# Altium PCB ccd_bottom.PcbDoc (part 1 of 3) (continued)
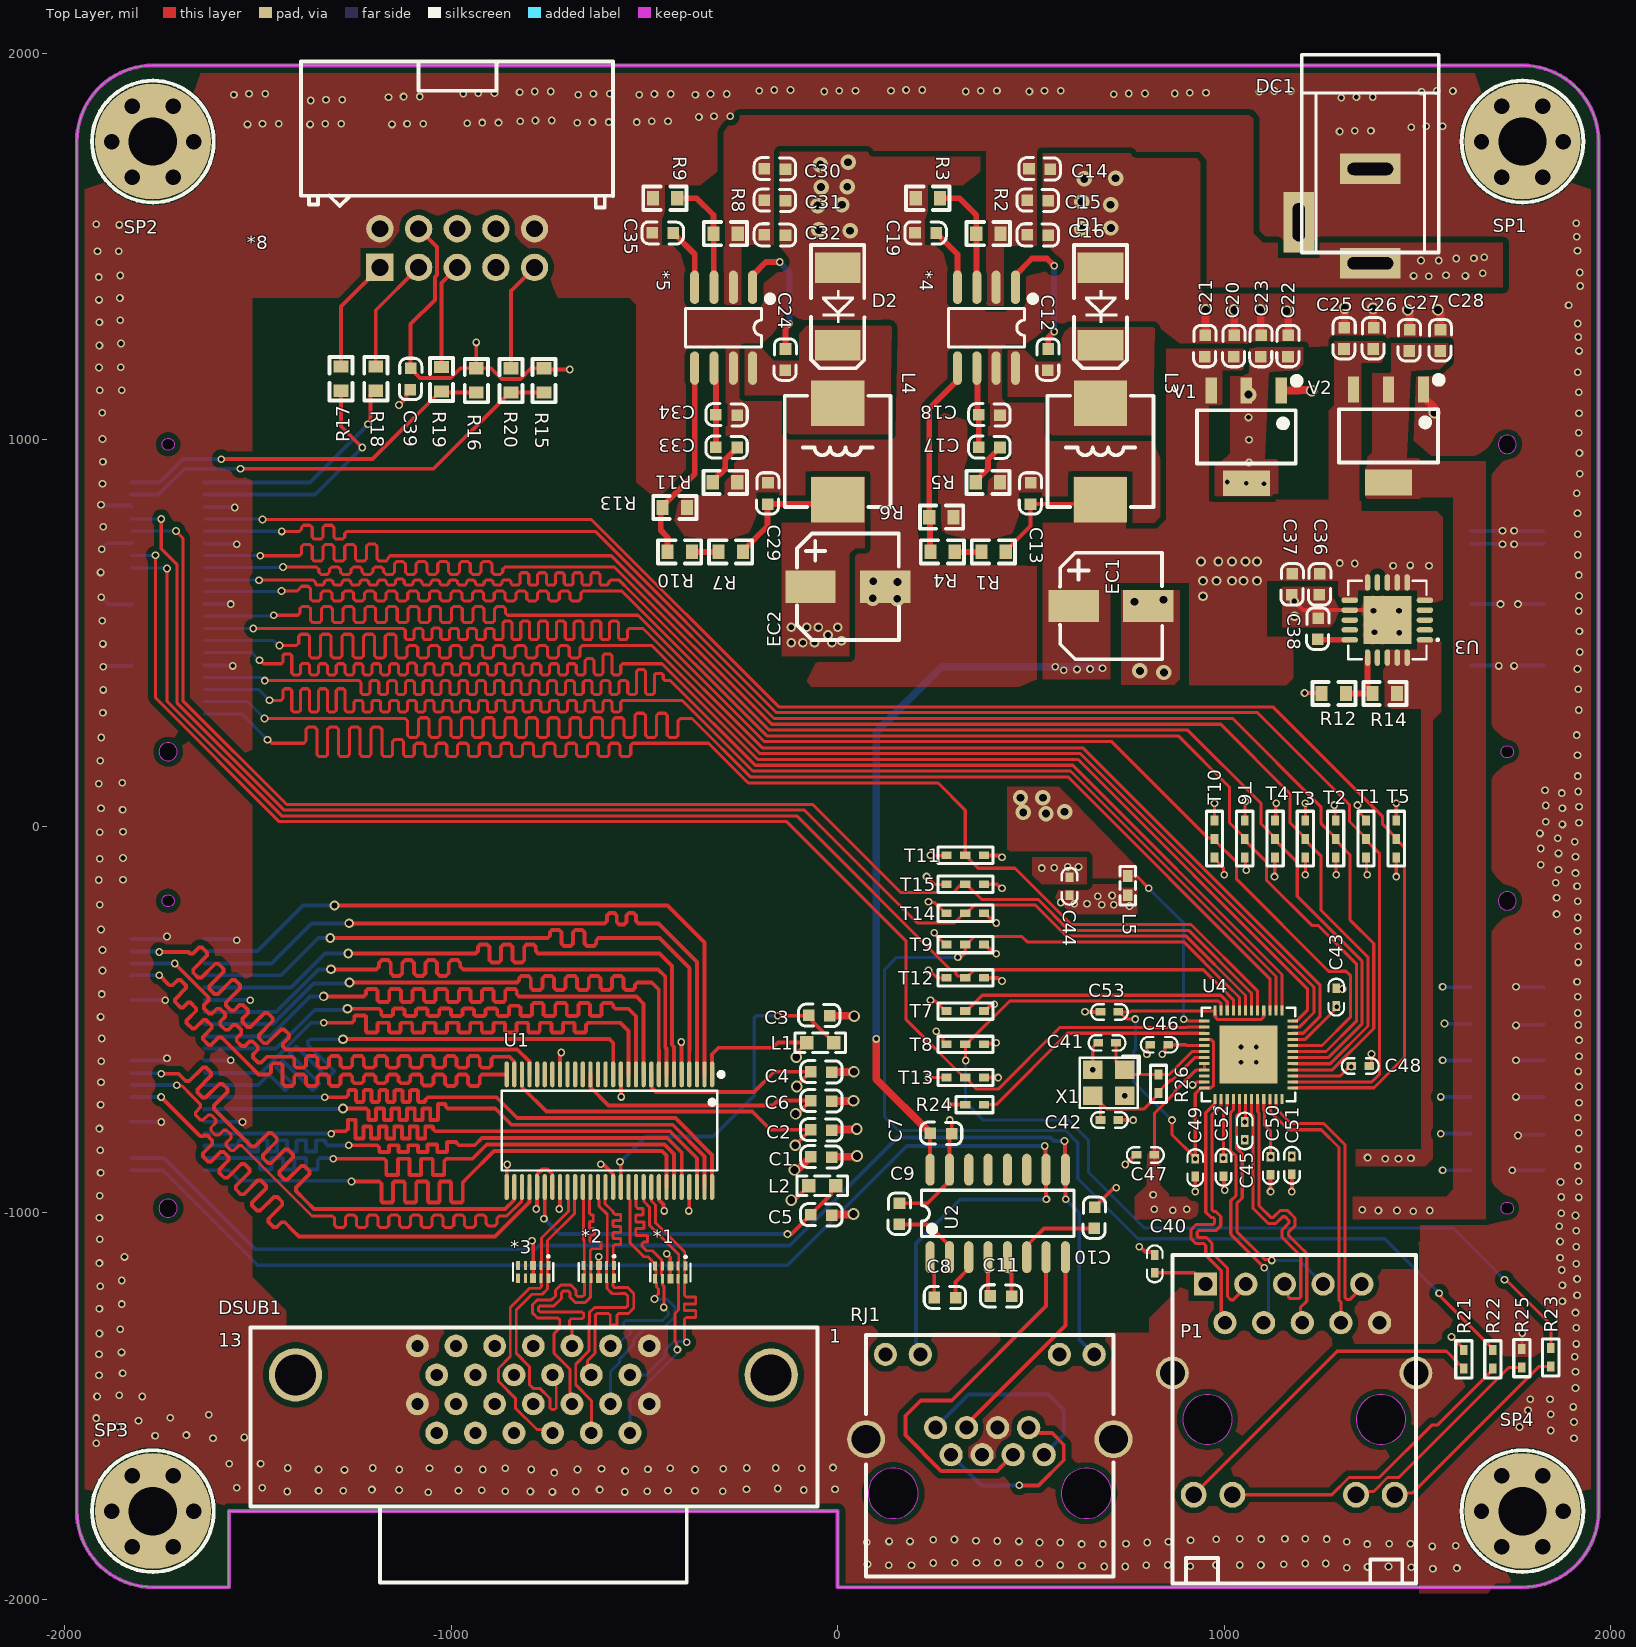
[diagram p0: Top Layer view]
## Components (designator, comment, footprint, x,y, rotation, side; value= is the part's Value field where it differs from the comment)
*1 "TVSX4" DFN-10 -433,-1154 r180 top
*2 "TVSX4" DFN-10 -618,-1152.7 r180 top
*3 "TVSX4" DFN-10 -787.7,-1152.7 r180 top
*4 "TPS54331DR" SOIC-8 385,1290 r270 top
*5 "TPS54331DR" SOIC-8 -295,1290 r270 top
*6 "BTB-08-40-M-H1.0" BTB-08-40-M-H1.0 1732.28,590.55 r270 bottom locked
*7 "BTB-08-40-M-H1.0" BTB-08-40-M-H1.0 -1732.28,-590.55 r90 bottom locked
*8 "JTAG" IDC-TH_10P-P2.54-H-R2-C5-S2.54 -984.25,1496.06 r180 top locked
*9 "BTB-08-40-M-H1.0" BTB-08-40-M-H1.0 1732.28,-590.55 r270 bottom locked
*10 "BTB-08-40-M-H1.0" BTB-08-40-M-H1.0 -1732.28,590.55 r90 bottom locked
C1 "0.1u" 0603C -14.79,-856.35 r180 top
C2 "4.7u" 0603C -14.79,-786.35 r180 top
C3 "0.1u" 0603C -20,-490 r180 top
C4 "0.1u" 0603C -14.79,-636.35 r180 top
C5 "0.1u" 0603C -14.79,-1006.35 r180 top
C6 "0.1u" 0603C -14.79,-711.35 r180 top
C7 "0.1u" 0603C 295.21,-795.35 r180 top locked
C8 "0.1u" 0603C 305.21,-1220.35 r180 top locked
C9 "0.1u" 0603C 160.35,-974.79 r270 top locked
C10 "0.1u" 0603C 665,-985 r270 top locked
C11 "0.1u" 0603C 450.21,-1216.35 r180 top locked
C12 "0.1u" 0603C 545.35,1235.21 r270 top
C13 "47U" 0603C 500.1,888.96 r270 top
C14 "4.7u" 0603C 550.21,1699.65 r180 top
C15 "4.7u" 0603C 545.21,1618.65 r180 top
C16 "0.01u" 0603C 545.21,1528.65 r180 top
C17 "1000p" 0603C 420.21,979.65 r180 top
C18 "47p" 0603C 420.21,1063.65 r180 top
C19 "0.01u" 0603C 199.79,1536.35 r0 top
C20 "4.7u" 0603C 1026.35,1270.21 r270 top
C21 "0.1u" 0603C 951.35,1270.21 r270 top
C22 "4.7u" 0603C 1166.35,1270.21 r270 top
C23 "0.1u" 0603C 1096.35,1270.21 r270 top
C24 "0.1u" 0603C -134.65,1235.21 r270 top
C25 "4.7u" 0603C 1311.35,1290.21 r270 top
C26 "0.1u" 0603C 1386.95,1290.15 r270 top
C27 "4.7u" 0603C 1480,1285 r270 top
C28 "0.1u" 0603C 1560,1285 r270 top
C29 "47U" 0603C -179.9,888.96 r270 top
C30 "4.7u" 0603C -134.79,1699.65 r180 top
C31 "4.7u" 0603C -134.79,1618.65 r180 top
C32 "0.01u" 0603C -134.79,1528.65 r180 top
C33 "1000p" 0603C -259.79,979.65 r180 top
C34 "47p" 0603C -259.79,1063.65 r180 top
C35 "0.01u" 0603C -480.21,1536.35 r0 top
C36 "10u" 0603C 1245.72,598.44 r90 top
C37 "1u" 0603C 1174.72,598.44 r90 top
C38 "0.1u" 0603C 1243.43,538.86 r270 top
C39 "0.1u" 0603C -1106.35,1129.79 r90 top
C40 "0.1uf/16v" 0402C 820.16,-1157 r90 top
C41 "12P" 0402C 672,-560.16 r0 top
C42 "12P" 0402C 728,-759.84 r180 top
C43 "10uf/16v" 0402C 1289.84,-417 r270 top
C44 "10uf/16v" 0402C 599.84,-130 r270 top
C45 "0.1uf/16v" 0402C 1053.16,-813 r90 top
C46 "0.1uf/16v" 0402C 807,-565.16 r0 top
C47 "0.1uf/16v" 0402C 771,-850.16 r0 top
C48 "0.1uf/16v" 0402C 1377,-619.84 r180 top
C49 "0.1uf/16v" 0402C 925.16,-908 r90 top
C50 "0.1uf/16v" 0402C 1120.16,-903 r90 top
C51 "0.1uf/16v" 0402C 1175.16,-902 r90 top
C52 "0.1uf/16v" 0402C 998.16,-907 r90 top
C53 "4.7uf/16v" 0402C 678,-480.16 r0 top
D1 "B340A" SMA/DO-214AC 680,1440 r270 top
D2 "B340A" SMA/DO-214AC 0,1440 r270 top
DC1 "DC_Socket" DC-005 1377.95,1456.69 r90 top locked
DSUB1 "6321-026RDS1MWA02" MDR-26-horizontal -787.4,-1456.69 r0 top locked
EC1 "47u" SMD-EC6.3X6.3X10 610,570 r0 top
EC2 "47u" SMD-EC6.3X6.3X10 -70.82,619.98 r0 top
L1 "GZ1608D601TF" 0603L -10,-560 r180 top
L2 "GZ1608D601TF" 0603L -5,-930 r180 top
L3 "6.8uH" L-SMD-0630 680,970 r270 top
L4 "6.8uH" L-SMD-0630 0,970 r270 top
L5 "FB" 0402L 750.58,-128.43 r270 top
P1 "HY911130A" RJ45-TH_HR911130A 1181.1,-1456.69 r180 top locked
R1 "0R" 0603R 372.01,710 r0 top
R2 "332k" 0603R 358.5,1533.5 r0 top
R3 "68.1k" 0603R 202.01,1625 r0 top
R4 "24.9k" 0603R 240,710 r0 top
R5 "29.4k" 0603R 420,890 r180 top
R6 "4.7k" 0603R 300,800 r180 top
R7 "0R" 0603R -307.99,710 r0 top
R8 "332k" 0603R -321.5,1533.5 r0 top
R9 "68.1k" 0603R -477.99,1625 r0 top
R10 "24.9k" 0603R -440,710 r0 top
R11 "29.4k" 0603R -260,890 r180 top
R12 "4.7k" 0603R 1315.07,343.65 r180 top
R13 "4.7k" 0603R -390,825 r180 top
R14 "1.2k" 0603R 1447.08,343.65 r180 top
R15 "4.7k" 0603R -760,1122.01 r90 top
R16 "4.7k" 0603R -935,1122.01 r90 top
R17 "33R" 0603R -1285,1127.01 r90 top
R18 "33R" 0603R -1195,1127.01 r90 top
R19 "33R" 0603R -1025,1125 r90 top
R20 "33R" 0603R -845,1122.01 r90 top
R21 "0r" 0402R 1620,-1403 r90 top
R22 "510R" 0402R 1695,-1403 r90 top
R23 "510R" 0402R 1845,-1398 r90 top
R24 "RES" 0402R 378,-720 r180 top
R25 "0r" 0402R 1770,-1400 r90 top
R26 "1M" 0402R 830,-642.01 r270 top
RJ1 "R-RJ45R08P-C000" RJ45-TH_R-RJ45R08P-C000 393.7,-1496.06 r0 top locked
SP1 "M3铜柱" M3x4_N 1771.65,1771.65 r0 top locked
SP2 "M3铜柱" M3x4_N -1771.65,1771.65 r0 top locked
SP3 "M3铜柱" M3x4_N -1771.65,-1771.65 r0 top locked
SP4 "M3铜柱" M3x4_N 1771.65,-1771.65 r0 top locked
T1 "4.7k" 0402T 1366.67,-33 r90 top
T2 "4.7k" 0402T 1288.33,-33 r90 top
T3 "4.7k" 0402T 1210,-33 r90 top
T4 "4.7k" 0402T 1131.67,-33 r90 top
T5 "4.7k" 0402T 1445,-33 r90 top
T6 "4.7k" 0402T 1053.33,-33 r90 top
T7 "4.7k" 0402T 330,-478 r0 top locked
T8 "4.7k" 0402T 330,-564 r0 top locked
T9 "4.7k" 0402T 330,-306 r0 top locked
T10 "1k" 0402T 975,-33 r90 top
T11 "4.7k" 0402T 330,-75 r0 top
T12 "4.7k" 0402T 330,-392 r0 top locked
T13 "4.7k" 0402T 330,-650 r0 top locked
T14 "4.7k" 0402T 330,-225 r0 top
T15 "4.7k" 0402T 330,-150 r0 top
U1 "DS90CR287MTDX/NOPB" TSSOP-56_L14.0-W6.1-P0.50-LS8.1-BL -590.55,-787.4 r180 top locked
U2 "MAX232" SOP16 239.21,-1116.47 r90 top locked
U3 "TPS74401RGWR" VQFN-20_L5.0-W5.0-P0.65-TL-EP 1422.07,533.65 r180 top
U4 "RTL8211E-VB-CG" QFN-48_L6.0-W6.0-P0.40-BL-EP3.8 1062.99,-590.55 r0 top locked
V1 "AMS1117-3V3" SOT223_L 1057.28,1007.46 r180 top
V2 "AMS1117_1V8" SOT223_L 1425,1010 r180 top
X1 "25M" "OSC 3225-4P" 701.34,-663.46 r180 top

## Footprints (in the part's own frame and the unit in brackets; to place one, negate y for a bottom-side part, rotate by r counter-clockwise, add the part's x,y. Pads: shape width x height; smd on the part's side, far side on the other; paste and mask are expansions set on the pad)
0402C [mil]
  rect 25x20 smd: 1(2,0.16) 2(48,0.16)
  silkscreen extent -23,-20 73,20, body extent 5,-12 45,12, height 8
0402L [mil]
  rect 30x25 smd: 1(0,0) 2(50,0)
  silkscreen extent -25,-20 75,20, body extent 5,-10 45,10, height 20
0402R [mil]
  rect 26x20 smd: 1(0,0) 2(48,0)
  silkscreen extent -24,-21 72,21, body extent 4,-10 43,10, height 13
0402T [mil]
  rect 26x20 smd: 1(0,0) 2(48,0) 3(-48,0)
  silkscreen extent -70,-21 72,21
0603C [mil]
  rect 30x30 smd: 1(0.21,-0.35) 2(55.21,-1.35)
  silkscreen extent -26,-30 81,28, body extent -1,-15 62,17, height 12
0603L [mil] "小功率贴片电感"
  rect 35x35 smd: 1(0,0) 2(70,0)
  silkscreen extent -30,-25 100,25, body extent 4,-16 66,15, height 31
0603R [mm]
  rect 0.8x0.965 smd: 1(0,0) 2(1.6,0)
  silkscreen extent -0.64,-0.76 2.21,0.76, body extent -0.04,-0.41 1.56,0.41, height 0.45
BTB-08-40-M-H1.0 [mm] "BTB 母座，0.8mm间距"
  rect 0.5x2.4 smd mask+0.051: 1(-7.6,-2.4) 2(-7.6,2.4) 3(-6.8,-2.4) 4(-6.8,2.4) 5(-6,-2.4) 6(-6,2.4) 7(-5.2,-2.4) 8(-5.2,2.4) 9(-4.4,-2.4) 10(-4.4,2.4) 11(-3.6,-2.4) 12(-3.6,2.4) 13(-2.8,-2.4) 14(-2.8,2.4) 15(-2,-2.4) 16(-2,2.4) 17(-1.2,-2.4) 18(-1.2,2.4) 19(-0.4,-2.4) 20(-0.4,2.4) 21(0.4,-2.4) 22(0.4,2.4) 23(1.2,-2.4) 24(1.2,2.4) 25(2,-2.4) 26(2,2.4) 27(2.8,-2.4) 28(2.8,2.4) 29(3.6,-2.4) 30(3.6,2.4) 31(4.4,-2.4) 32(4.4,2.4) 33(5.2,-2.4) 34(5.2,2.4) 35(6,-2.4) 36(6,2.4) 37(6.8,-2.4) 38(6.8,2.4) 39(7.6,-2.4) 40(7.6,2.4)
  Keep-Out Layer board cut-out: -10.1,-0.6 -10.33,-0.554 -10.524,-0.424 -10.654,-0.23 -10.7,0 -10.7,0 -10.654,0.229 -10.524,0.424 -10.33,0.554 -10.1,0.6 -10.1,0.6 -9.87,0.554 -9.676,0.424 -9.546,0.229 -9.5,0 -9.5,0 -9.546,-0.23 -9.676,-0.424 -9.87,-0.554 -10.1,-0.6
  Keep-Out Layer board cut-out: 9.7,0 9.73,-0.153 9.817,-0.283 9.947,-0.37 10.1,-0.4 10.1,-0.4 10.253,-0.37 10.383,-0.283 10.469,-0.153 10.5,0 10.5,0 10.469,0.153 10.383,0.283 10.253,0.369 10.1,0.4 10.1,0.4 9.947,0.369 9.817,0.283 9.73,0.153 9.7,0
  silkscreen extent -10.9,-3.63 10.9,3, body extent -10.9,-2.92 10.9,3.08, height 3.85
DC-005 [mm] "5.5X2.1mm"
  rect 2x4 hole 0.8 slot 3 at 90 deg: 1(0,0) 2(6.2,0)
  rect 4x2 hole 0.8 slot 2.5 at 0 deg: 3(2.7,4.7)
  silkscreen extent 0.72,-4.5 13.7,4.5, body extent -0.4,-4.52 13.65,4.78, height 11.2
DFN-10 [mil]
  rect 11x23.8 smd mask+2: 1(-39.4,-16.3) 5(39.4,-16.3) 6(39.4,16.3) 10(-39.4,16.3)
  rect 7.9x23.8 smd mask+2: 2(-19.7,-16.3) 4(19.7,-16.3) 7(19.7,16.3) 9(-19.7,16.3)
  rect 15.7x23.8 smd mask+2: 3(0,-16.3) 8(0,16.3)
  silkscreen extent -52,-43 52,23, body extent -49,-20 49,20, height 20
IDC-TH_10P-P2.54-H-R2-C5-S2.54 [mm]
  rect 1.8x1.8 hole 1.1 mask+0.051: 1(5.08,1.27)
  round 1.8 hole 1.1 mask+0.051: 2(5.08,-1.27) 3(2.54,1.27) 4(2.54,-1.27) 5(0,1.27) 6(0,-1.27) 7(-2.54,1.27) 8(-2.54,-1.27) 9(-5.08,1.27) 10(-5.08,-1.27)
  silkscreen extent -10.24,-12.26 10.26,-2.65, body extent -11.19,-12.23 11.19,1.63, height 9
L-SMD-0630 [mm] "一体化成型电感"
  rect 3x3.5 smd: 1(-3.175,0) 2(3.175,0)
  silkscreen extent -3.66,-3.48 3.66,3.48, body extent -3.47,-3.3 3.48,3.3
M3x4_N [mil] "M3铜柱，长：4mm"
  round 40 hole 40: 1(-106,0) 1(-53,-91.8) 1(-53,91.8) 1(53,-91.8) 1(53,91.8) 1(106,0)
  round 300 hole 125: 1(0,0)
  silkscreen extent -157,-157 157,157, body extent -106,-93 106,93, height 159
MDR-26-horizontal [mm] "水平"
  round 1.5 hole 0.8: 1(7.62,2.857) 2(6.35,0.953) 3(5.08,2.857) 4(3.81,0.953) 5(2.54,2.857) 6(1.27,0.953) 7(0,2.857) 8(-1.27,0.953) 9(-2.54,2.857) 10(-3.81,0.953) 11(-5.08,2.857) 12(-6.35,0.953) 13(-7.62,2.857) 14(7.62,-0.953) 15(6.35,-2.857) 16(5.08,-0.953) 17(3.81,-2.857) 18(2.54,-0.953) 19(1.27,-2.857) 20(0,-0.953) 21(-1.27,-2.857) 22(-2.54,-0.953) 23(-3.81,-2.857) 24(-5.08,-0.953) 25(-6.35,-2.857) 26(-7.62,-0.953)
  round 3.5 hole 2.7: 27(-15.63,0.953) 28(15.63,0.953)
  silkscreen extent -18.58,-12.7 18.67,4.06, body extent -18.58,-12.83 18.58,4.02, height 9.79
"OSC 3225-4P" [mm]
  rect 1.3x1.2 smd: 1(-1.05,-0.85) 2(1.05,-0.85) 3(1.05,0.85) 4(-1.05,0.85)
  silkscreen extent -2.03,-1.75 1.91,1.65, body extent -1.47,-1.27 1.73,1.23, height 0.7
QFN-48_L6.0-W6.0-P0.40-BL-EP3.8 [mm]
  rect 0.2x0.665 smd mask+0.051: 1(-2.2,-2.908) 2(-1.8,-2.908) 3(-1.4,-2.908) 4(-1,-2.908) 5(-0.6,-2.908) 6(-0.2,-2.908) 7(0.2,-2.908) 8(0.6,-2.908) 9(1,-2.908) 10(1.4,-2.908) 11(1.8,-2.908) 12(2.2,-2.908) 25(2.2,2.908) 26(1.8,2.908) 27(1.4,2.908) 28(1,2.908) 29(0.6,2.908) 30(0.2,2.908) 31(-0.2,2.908) 32(-0.6,2.908) 33(-1,2.908) 34(-1.4,2.908) 35(-1.8,2.908) 36(-2.2,2.908)
  rect 0.665x0.2 smd mask+0.051: 13(2.908,-2.2) 14(2.908,-1.8) 15(2.908,-1.4) 16(2.908,-1) 17(2.908,-0.6) 18(2.908,-0.2) 19(2.908,0.2) 20(2.908,0.6) 21(2.908,1) 22(2.908,1.4) 23(2.908,1.8) 24(2.908,2.2) 37(-2.908,2.2) 38(-2.908,1.8) 39(-2.908,1.4) 40(-2.908,1) 41(-2.908,0.6) 42(-2.908,0.2) 43(-2.908,-0.2) 44(-2.908,-0.6) 45(-2.908,-1) 46(-2.908,-1.4) 47(-2.908,-1.8) 48(-2.908,-2.2)
  rect 3.8x3.8 smd mask+0.051: 49(0,0)
  silkscreen extent -3.08,-3.61 3.08,3.08, body extent -3,-3 3,3, height 0.5
RJ45-TH_HR911130A [mil]
  rect 60x60 hole 35.83 mask+2: 1(229.63,-272.62)
  round 60 hole 35.83 mask+2: 2(179.1,-172.38) 3(125.2,-272.38) 4(79.1,-172.38) 5(25.2,-272.38) 6(-20.9,-172.38) 7(-74.8,-272.38) 8(-120.9,-172.38) 9(-174.8,-272.38) 10(-220.9,-172.38)
  round 66.93 hole 43.31 mask+2: 11(260,272.62) 12(160,272.62) 13(-160,272.62) 14(-260,272.62)
  round 85 hole 65 mask+2: 15(-315,-42.48) 16(315,-42.48)
  Keep-Out Layer board cut-out: -160.42,77.62 -160.42,83.92 -162.88,96.28 -167.71,107.92 -174.71,118.4 -183.62,127.31 -194.1,134.31 -205.74,139.14 -218.1,141.6 -230.7,141.6 -243.06,139.14 -254.7,134.31 -265.18,127.31 -274.09,118.4 -281.09,107.92 -285.92,96.28 -288.38,83.92 -288.38,77.62 -288.38,71.32 -285.92,58.96 -281.09,47.32 -274.09,36.84 -265.18,27.93 -254.7,20.93 -243.06,16.1 -230.7,13.64 -218.1,13.64 -205.74,16.1 -194.1,20.93 -183.62,27.93 -174.71,36.84 -167.71,47.32 -162.88,58.96 -160.42,71.32 -160.42,77.62 -160.42,77.62
  Keep-Out Layer board cut-out: 288.38,77.62 288.38,83.92 285.92,96.28 281.09,107.92 274.09,118.4 265.18,127.31 254.7,134.31 243.06,139.14 230.7,141.6 218.1,141.6 205.74,139.14 194.1,134.31 183.62,127.31 174.71,118.4 167.71,107.92 162.88,96.28 160.42,83.92 160.42,77.62 160.42,71.32 162.88,58.96 167.71,47.32 174.71,36.84 183.62,27.93 194.1,20.93 205.74,16.1 218.1,13.64 230.7,13.64 243.06,16.1 254.7,20.93 265.18,27.93 274.09,36.84 281.09,47.32 285.92,58.96 288.38,71.32 288.38,77.62 288.38,77.62
  silkscreen extent -315,-347 315,503, body extent -323,-354 323,512, height 541
RJ45-TH_R-RJ45R08P-C000 [mil]
  round 60 hole 36 mask+2: 1(140.55,-129.73) 2(100.39,-59.64) 3(60.24,-129.73) 4(20.08,-59.64) 5(-20.08,-129.73) 6(-60.24,-59.64) 7(-100.39,-129.73) 8(-140.55,-59.64) 9(-270.08,129.73) 10(-179.92,129.73) 11(179.92,129.73) 12(270.08,129.73)
  round 98.42 hole 74.8 mask+2: 13(320.08,-89.56) 14(-320.08,-89.56)
  Keep-Out Layer board cut-out: -185.04,-229.73 -185.04,-223.33 -187.54,-210.78 -192.43,-198.95 -199.54,-188.32 -208.59,-179.27 -219.23,-172.16 -231.05,-167.26 -243.6,-164.76 -256.4,-164.76 -268.95,-167.26 -280.77,-172.16 -291.41,-179.27 -300.46,-188.32 -307.57,-198.95 -312.47,-210.78 -314.96,-223.33 -314.96,-229.73 -314.96,-236.12 -312.47,-248.67 -307.57,-260.5 -300.46,-271.14 -291.41,-280.18 -280.77,-287.29 -268.95,-292.19 -256.4,-294.69 -243.6,-294.69 -231.05,-292.19 -219.23,-287.29 -208.59,-280.18 -199.54,-271.14 -192.43,-260.5 -187.54,-248.67 -185.04,-236.12 -185.04,-229.73 -185.04,-229.73
  Keep-Out Layer board cut-out: 314.96,-229.73 314.96,-223.33 312.46,-210.78 307.57,-198.95 300.46,-188.32 291.41,-179.27 280.77,-172.16 268.95,-167.26 256.4,-164.76 243.6,-164.76 231.05,-167.26 219.23,-172.16 208.59,-179.27 199.54,-188.32 192.43,-198.95 187.53,-210.78 185.04,-223.33 185.04,-229.73 185.04,-236.12 187.53,-248.67 192.43,-260.5 199.54,-271.14 208.59,-280.18 219.23,-287.29 231.05,-292.19 243.6,-294.69 256.4,-294.69 268.95,-292.19 280.77,-287.29 291.41,-280.18 300.46,-271.14 307.57,-260.5 312.46,-248.67 314.96,-236.12 314.96,-229.73 314.96,-229.73
  silkscreen extent -320,-445 320,180, body extent -324,-452 324,180, height 506
SMA/DO-214AC [mm] "塑封二极管"
  rect 2x3 smd: A(-0.127,0) K(4.953,0)
  silkscreen extent -1.63,-1.75 6.48,1.75, body extent 0.11,-1.35 4.71,1.35, height 2.4
SMD-EC6.3X6.3X10 [mm]
  rect 3.3x2.132 smd: 1(0.021,0) 2(4.921,0)
  silkscreen extent -0.88,-3.5 5.84,3.5, body extent -1.09,-3.3 5.91,3.3, height 5.4
SOIC-8 [mm]
  oval 2.2x0.6 smd: 1(-2.654,1.905) 2(-2.654,0.635) 3(-2.654,-0.635) 4(-2.654,-1.905) 5(2.654,-1.905) 6(2.654,-0.635) 7(2.654,0.635) 8(2.654,1.905)
  silkscreen extent -2.06,-2.5 1.27,3.2, body extent -3,-2.5 3,2.5, height 1.9
SOP16 [mm]
  oval 2.1x0.6 smd: 1(0.046,0) 2(0.046,-1.27) 3(0.046,-2.54) 4(0.046,-3.81) 5(0.046,-5.08) 6(0.046,-6.35) 7(0.046,-7.62) 8(0.046,-8.89) 9(5.796,-8.89) 10(5.796,-7.62) 11(5.796,-6.35) 12(5.796,-5.08) 13(5.796,-3.81) 14(5.796,-2.54) 15(5.796,-1.27) 16(5.796,0)
  silkscreen extent 1.4,-9.45 4.45,0.56, body extent -0.15,-9.47 5.85,0.53, height 1.9
SOT223_L [mm] "6.4x7x1.6mm(长宽高)"
  rect 0.75x1.7 smd: 1(-2.3,-3.048) 2(0,-3.048) 3(2.3,-3.048)
  rect 3.1x1.7 smd: 2(0,3.048)
  silkscreen extent -3.5,-3.88 3.25,1.75, body extent -3.25,-3.51 3.25,3.51, height 1.65
TSSOP-56_L14.0-W6.1-P0.50-LS8.1-BL [mm]
  oval 0.28x1.7 smd mask+0.051: 1(-6.75,-3.7) 2(-6.25,-3.7) 3(-5.75,-3.7) 4(-5.25,-3.7) 5(-4.75,-3.7) 6(-4.25,-3.7) 7(-3.75,-3.7) 8(-3.25,-3.7) 9(-2.75,-3.7) 10(-2.25,-3.7) 11(-1.75,-3.7) 12(-1.25,-3.7) 13(-0.75,-3.7) 14(-0.25,-3.7) 15(0.25,-3.7) 16(0.75,-3.7) 17(1.25,-3.7) 18(1.75,-3.7) 19(2.25,-3.7) 20(2.75,-3.7) 21(3.25,-3.7) 22(3.75,-3.7) 23(4.25,-3.7) 24(4.75,-3.7) 25(5.25,-3.7) 26(5.75,-3.7) 27(6.25,-3.7) 28(6.75,-3.7) 29(6.75,3.7) 30(6.25,3.7) 31(5.75,3.7) 32(5.25,3.7) 33(4.75,3.7) 34(4.25,3.7) 35(3.75,3.7) 36(3.25,3.7) 37(2.75,3.7) 38(2.25,3.7) 39(1.75,3.7) 40(1.25,3.7) 41(0.75,3.7) 42(0.25,3.7) 43(-0.25,3.7) 44(-0.75,3.7) 45(-1.25,3.7) 46(-1.75,3.7) 47(-2.25,3.7) 48(-2.75,3.7) 49(-3.25,3.7) 50(-3.75,3.7) 51(-4.25,3.7) 52(-4.75,3.7) 53(-5.25,3.7) 54(-5.75,3.7) 55(-6.25,3.7) 56(-6.75,3.7)
  silkscreen extent -7.49,-3.85 7.08,2.62, body extent -7.2,-4.05 7.2,4.05, height 1.03
VQFN-20_L5.0-W5.0-P0.65-TL-EP [mm]
  oval 1.087x0.364 smd mask+0.051: 1(-2.468,1.3) 2(-2.468,0.65) 3(-2.468,0) 4(-2.468,-0.65) 5(-2.468,-1.3) 11(2.468,-1.3) 12(2.468,-0.65) 13(2.468,0) 14(2.468,0.65) 15(2.468,1.3)
  oval 0.364x1.087 smd mask+0.051: 6(-1.3,-2.468) 7(-0.65,-2.468) 8(0,-2.468) 9(0.65,-2.468) 10(1.3,-2.468) 16(1.3,2.468) 17(0.65,2.468) 18(0,2.468) 19(-0.65,2.468) 20(-1.3,2.468)
  rect 3.15x3.15 smd mask+0.051: 21(0,0)
  silkscreen extent -3.39,-2.58 2.58,2.58, body extent -2.51,-2.51 2.51,2.51, height 1

## Part data
*1 *2 *3: "瞬态抑制二极管"
*4 *5: "降压型DC-DC"
C1 C2 C3 C4 C5 C6 C7 C8 C9 C10 C11 C12 C13 C14 C15 C16 C17 C18 C19 C20 C21 C22 C23 C24 C25 C26 C27 C28 C29 C30 C31 C32 C33 C34 C35 C36 C37 C38 C39 C40 C41 C42 C43 C44 C45 C46 C47 C48 C49 C50 C51 C52 C53: library part CAP, "无极性电容"
D1 D2: library part DIODE, "普通二极管"
DSUB1: library part MDR-26, BOM_JLCPCB Part Class="Extended Part", BOM_Manufacturer=Wcon, BOM_Manufacturer Part=6321-026RDS1MWA02, BOM_Supplier=LCSC, BOM_Supplier Part=C843200, Contributor=LCSC, spicePre=D, spiceSymbolName=6321-026RDS1MWA02
EC1 EC2: library part ECAP, "贴片电解电容"
L1 L2: library part FB, "铁氧体磁珠", Current Rating=200mA, DC Resistance=450mΩ, Impedance @ Frequency=600Ω@100MHz, JLCPCB Part Class="Basic Part", LCSC Part Name="600Ω@100MHz ±25%", Manufacturer=Sunlord(顺络), Tolerance=±25%, Add into BOM=yes, Circuits=1, Convert to PCB=yes, Datasheet=https://atta.szlcsc.com/upload/public/pdf/source/20210830/355EA7C0FAC5394FC0FE3F17C770C20A.pdf, Device=GZ1608D601TF, Manufacturer Part=GZ1608D601TF, Name=GZ1608D601TF, Supplier=LCSC, Supplier Footprint=0603, Supplier Part=C1002, Symbol=GZ1608D601TF
L3 L4: library part L, "INDUCTOR"
L5: "铁氧体磁珠"
P1: "RJ45"
R1 R2 R3 R4 R5 R6 R7 R8 R9 R10 R11 R12 R13 R14 R15 R16 R17 R18 R19 R20 R21 R22 R23 R25 R26: library part RES, "电阻"
R24: "电阻"
RJ1: library part RJ45R08P, "RJ45", JLCPCB Part Class="Extended Part", LCSC Part Name="RJ45 弯插 带LED 8P/8C 铜壳带屏蔽 短体  无弹片", Manufacturer=Ckmtw(灿科盟), Operating Temperature Range=0℃~+70℃, Ratings=-, Add into BOM=yes, Connector Type=RJ插座, Convert to PCB=yes, Datasheet=https://atta.szlcsc.com/upload/public/pdf/source/20190508/C386757_590BCC8A33AAEEF7838490D656B2E4CF.pdf, Device=R-RJ45R08P-C000, LED=带LED, Manufacturer Part=R-RJ45R08P-C000, Mounting Style=弯插, Name=R-RJ45R08P-C000, Number of Ports=1, Shielding=有, Supplier=LCSC, Supplier Footprint=插件, Supplier Part=C386757, Symbol=R-RJ45R08P-C000, USOC Codes=RJ45
SP1 SP2 SP3 SP4: library part 铜柱大焊盘, "铜柱", BOM名称=铜柱, 学习资源=https://shop463601444.taobao.com, 版权归属="封装库来自淘宝 ID：黄晶宝石"
T1 T2 T3 T4 T5 T6 T7 T8 T9 T10 T11 T12 T13 T14 T15: library part test, "调试"
U1: "cameralink编码", JLCPCB Part Class="Extended Part", Manufacturer=TI(德州仪器), Add into BOM=yes, Convert to PCB=yes, Datasheet=https://atta.szlcsc.com/upload/public/pdf/source/20181012/C87059_649258B21BE4DAB0D862C5E1E6C719D7.pdf, Device=DS90CR287MTDX/NOPB, LCSC Part Name=DS90CR287MTDX/NOPB, Manufacturer Part=DS90CR287MTDX/NOPB, Name=DS90CR287MTDX/NOPB, Supplier=LCSC, Supplier Footprint=TSSOP-56, Supplier Part=C87059, Symbol=DS90CR287MTDX/NOPB
U3: "单路输出 LDO、3.0A、可调节电压（0.8 至 3.3V）、快速瞬态响应、可编程软启动", Current - Supply (Max)=-, JLCPCB Part Class="Extended Part", Manufacturer=TI(德州仪器), Operating Temperature=-40℃~125℃(TJ), Output Current (Max)=3A, Voltage - Input (Max)=5.5V, Voltage - Output (adj)="0.8V ~ 3.6V", Voltage Dropout (Max)="240mV @ 3A", Add into BOM=yes, Convert to PCB=yes, Datasheet=https://atta.szlcsc.com/upload/public/pdf/source/20171102/C138728_15096093098431078457.pdf, Device=TPS74401RGWR, Enabling feet=-, LCSC Part Name=TPS74401RGWR, Manufacturer Part=TPS74401RGWR, Name=TPS74401RGWR, Number of Output Channels=1, Output Configuration=正, Output Type=可调式, Quiescent Current (Iq)=-, Ripple Rejection (PSRR)="73dB ~ 50dB(1kHz ~ 800kHz)", Supplier=LCSC, Supplier Footprint=VQFN-20_5x5x065P, Supplier Part=C138728, Symbol=TPS74401RGWR, Voltage - Output (Fixed)=-
U4: "千兆以太网控制芯片", JLCPCB Part Class="Extended Part", Manufacturer=REALTEK(瑞昱), Supply Voltage=1.43V~3.63V, Add into BOM=yes, Application Function=以太网收发器, Convert to PCB=yes, Datasheet=https://atta.szlcsc.com/upload/public/pdf/source/20171225/C90735_15141884815701203317.pdf, Device=RTL8211E-VB-CG, Interface="GMII, MII, RGMII", LCSC Part Name=RTL8211E-VB-CG, Manufacturer Part=RTL8211E-VB-CG, Name=RTL8211E-VB-CG, Number of Channels=-, Supplier=LCSC, Supplier Footprint=QFN-48-EP(6x6), Supplier Part=C90735, Symbol=RTL8211E-VB-CG
V1 V2: "LDO", BOM名称=稳压芯片, 封装库来自淘宝卖家：黄晶宝石=其他店铺购入的买家，请立即申请退款，本店现金奖励200~1000元
X1: library part XTAL-4P, "4脚无源晶振"

## Via types
v1: diameter 20, hole 12, Top Layer to Bottom Layer, 590 vias
v2: diameter 25, hole 15, Top Layer to Bottom Layer, 39 vias
v3: diameter 40, hole 20, Top Layer to Bottom Layer, 28 vias
v4: diameter 30, hole 20, Top Layer to Bottom Layer, 22 vias
v5: diameter 24, hole 12, Top Layer to Bottom Layer, tented both sides, 4 vias

## Nets (pads, with @x,y where several pads share a name; then routed paths per layer and width w, separated by ;. In a path a pad name is that pad's centre, name@x,y a point inside that pad or via, vN(x,y) a via of type N, cw(c..) or ccw(c..) an arc to the next point about the centre after c; other vN are vias at no path point)
1V0: C49.2 C50.2 C51.2 C52.2 C53.2 R14.1 U3.1 U3.18 U3.19 U3.20 U4.3 U4.9 U4.28 U4.36 U4.40 U4.48 | length 1571.6
  Top Layer w8: C53.2@726,-480 C53.2@728.5,-480 ; v1(770,-498.68) 747.18,-498.68 C53.2@728.5,-480 ; v1(865,-760) 865,-797.5 C49.2@925,-857.5 ; v1(925,-860) C49.2@925,-857.5 ; U4.40@948.52,-551.18 948.59,-551.24 965.42,-551.24 972.61,-558.44 972.61,-669.91 965.43,-677.1 948.59,-677.1 U4.48@948.52,-677.16 939.49,-677.16 925,-691.66 C49.2@925,-857.5 ; U4.36@976.38,-476.08 976.38,-477.94 976.32,-478 759.57,-478 757.57,-480 C53.2@728.5,-480 ; U4.36@976.45,-479.87 976.45,-492.99 983.63,-500.17 1095.11,-500.17 1102.3,-492.98 1102.3,-476.14 U4.28@1102.36,-476.08 ; v1(998,-859) 998,-738.46 1007.87,-728.58 U4.3@1007.87,-705.02 ; U4.9@1102.36,-705.02 1102.36,-733.17 1104.5,-735.31 1104.5,-773.59 1120,-789.09 v1(1120,-855) C50.2@1121,-854
  Bottom Layer w8: v1(770,-498.68) 770,-578.46 765,-583.46 765,-660 v1(865,-760)
  other v1: 1417,-860 1451,-860 1483,-859 1371,-857 1175,-854
1v8: C27.2 C28.2 C47.2 U4.44 U4.45 V2.2 | length 302.4
  Top Layer w8: C47.2@820,-860 820,-741.61 873.26,-688.35 873.26,-684 926.52,-630.73 938.68,-630.73 U4.45@939.43,-629.98 ; U4.45@948.52,-629.92 U4.44@948.52,-614.17
  other v1: 1489,-996 1399,-994 1447,-994 1532,-994 867,-993 1357,-992 819,-991 903,-991 816,-953
3v3: *8.4 C1.2 C2.2 C4.2 C6.2 C22.2 C23.2 C39.2 C43.2 C48.2 L1.2 L2.2 L5.1 R15.2 R16.2 R21.2 RJ1.9 RJ1.11 U1.1 U1.9 U1.17 U1.26 U4.15 U4.21 U4.37 V1.2 | length 4356.9
  Top Layer w8: L5.1@750.58,-128.43 773.43,-128.43 v1(805,-160) ; v1(895,-499) 897.3,-501.3 904.61,-501.3 907.26,-503.94 U4.37@948.52,-503.94 ; U4.15@1177.46,-645.67 1300.83,-645.67 1326.5,-620 C48.2@1329,-620 ; U4.21@1177.46,-551.18 1210.05,-551.18 1284,-477.23 1284,-471 C43.2@1290,-465 ; v1(1588,-1321) 1589,-1321 1620,-1352 R21.2@1620,-1355
  Top Layer w10: *8.4@-1084.25,1546.06 -1036.82,1498.63 -1036.82,1426.42 -1042,1421.23 -1042,1362.14 -1105,1299.14 C39.2@-1105,1185 -1080.24,1160.24 -1001.03,1160.24 -976.28,1185 R16.2@-935,1185 ; v1(-935,1252) R16.2@-935,1185 ; U1.26@-816.93,-641.73 -816.74,-641.93 -816.74,-674.96 -753.69,-738 -221,-738 -174,-785 C2.2@-70,-785 v4(-110,-825) ; v1(-693,1182) -757,1182 R15.2@-760,1185 -793.29,1185 -821.03,1157.25 -868.97,1157.25 -896.71,1185 R16.2@-935,1185 ; U1.17@-639.76,-641.73 -639.57,-641.93 -639.57,-674.97 -592.53,-722 -167.41,-722 -154.41,-709 -71,-709 C6.2@-70,-710 -104,-744 v4(-109,-744) ; U1.9@-482.28,-641.73 -482.09,-641.93 -482.09,-674.97 -469.85,-687.2 -216.2,-687.2 -164,-635 C4.2@-70,-635 -106,-671 v4(-106,-673) ; U1.1@-324.8,-641.73 -324.8,-589.8 -308,-573 -168,-573 -154,-559 -81,-559 L1.2@-80,-560 -103.17,-583.17 -103.17,-593.17 v4(-107,-597) ; v4(-120,-967) -116.17,-963.17 -108.17,-963.17 L2.2@-75,-930
  Top Layer w20: v4(-112,-889) -110.09,-887.09 -102.09,-887.09 C1.2@-70,-855
  Bottom Layer w8: v1(805,-160) 805,-161 895,-251 v1(895,-499)
  other v1: 1329,-622 1291,-467 1103,886 1057.28,887.46 1008,891 1064,941 1064,1000 1063,1058
  other v3: 539,33 480,36 587,38 473,74 531,74 1063,1117
+5: *6.13 *6.14 *6.15 *6.16 *6.17 *6.18 *6.19 *6.20 C7.2 C13.2 C20.2 C21.2 C25.2 C26.2 C36.2 C37.2 EC1.1 L3.2 R1.2 U2.16 U3.5 U3.6 U3.7 U3.8 U3.10 U3.11 V1.3 V2.3 | length 2183.3
  Top Layer w10: U2.16@239.21,-888.28 239.21,-794.79 C7.2@240,-794 ; R1.2@435,710 435,713.25 498.75,777 C13.2@498.75,833.75 668.75,833.75 L3.2@680,845
  Top Layer w20: v1(100,-550) 100,-654 C7.2@240,-794
  Bottom Layer w20: v1(100,-550) 100,244 269,413 681,413 v1(685,409)
  other v1: 585,404 619,406 653,407 563,413 1437,674 1530,674 1481,675 1338,680 1299,681
  other v2: 945,595 945,635 980,635 1020,635 1050,635 1085,635 940,685 985,685 1020,685 1055,685 1085,685
+12: *4.2 *5.2 *6.1 *6.2 *6.3 *6.4 *6.5 *6.6 *6.7 *6.8 C14.2 C15.2 C16.2 C30.2 C31.2 C32.2 DC1.1 R2.2 R8.2
  other v1: 1529,1423 1490,1424 1624,1424 1574,1426 1669,1431 1509,1464 1555,1464 1600,1469 1646,1470 1673,1472
B13_L3_N: *9.3
B13_L3_P: *9.1
B13_L4_N: *6.36
B13_L4_P: *6.34
B13_L5_N: *6.35
B13_L5_P: *6.33
B13_L7_N: *6.39
B13_L7_P: *6.37
B15_IO0: *7.3 RJ1.12 U2.9 | length 3219
  Top Layer w10: v1(587,-814) 588.11,-815.11 588.11,-887.18 U2.9@589.21,-888.28 589.61,-888.68 589.61,-964.61 v1(590,-965)
  Bottom Layer w10: *7.3@-1826.77,-858.27 -1743.35,-858.27 -1507.62,-1094 -781.89,-1094 -771.89,-1084 -124,-1084 155,-805 551.09,-805 560.09,-814 v1(587,-814) ; v1(590,-965) 625,-1000 625,-1327.56 RJ1.12@663.78,-1366.34
B15_IO25: *7.2 U1.50 | length 1728.4
  Top Layer w10: v1(-1258,-919) -1221,-919 -1186,-919 -1180.14,-924.86 -1180.14,-970 -1177.14,-973 -1153.14,-973 -1150.14,-970 -1150.14,-922 -1147.14,-919 -1123.14,-919 -1120.14,-922 -1120.14,-970 -1117.14,-973 -1093.14,-973 -1090.14,-970 -1090.14,-922 -1087.14,-919 -1063.14,-919 -1060.14,-922 -1060.14,-970 -1057.14,-973 -1033.14,-973 -1030.14,-970 -1030.14,-922 -1027.14,-919 -1003.14,-919 -1000.14,-922 -1000.14,-970 -997.14,-973 -973.14,-973 -970.14,-970 -970.14,-921.14 -957,-908 -889,-840 -455,-840 -443.11,-851.89 -443.11,-932.88 U1.50@-442.91,-933.07
  Bottom Layer w10: *7.2@-1637.8,-889.77 -1575.23,-889.77 -1547.91,-917.09 -1259.91,-917.09 v1(-1258,-919)
B15_L1_N: *7.26 U1.8 | length 1729.5
  Top Layer w10: v2(-1263,-404) -835,-404 -830,-404 -824,-398 -824,-393 -818,-387 -800,-387 -794,-393 -794,-417 -788,-423 -770,-423 -764,-417 -764,-393 -758,-387 -740,-387 -734,-393 -734,-417 -728,-423 -710,-423 -704,-417 -704,-393 -698,-387 -680,-387 -674,-393 -674,-417 -668,-423 -650,-423 -644,-417 -644,-393 -638,-387 -620,-387 -614,-393 -614,-417 -608,-423 -590,-423 -584,-417 -584,-393 -578,-387 -560,-387 -554,-393 -554,-417 -548,-423 -530,-423 -524,-417 -524,-410 -518,-404 -507.82,-404 -481,-404 -463,-422 -463,-579.2 -462.6,-579.59 U1.8@-462.6,-641.73
  Bottom Layer w10: *7.26@-1637.8,-511.81 -1460.85,-511.81 -1355.91,-406.87 -1265.87,-406.87 v2(-1263,-404)
B15_L1_P: *7.28 U1.7 | length 1723.3
  Top Layer w10: v2(-1311,-370) -1198.86,-370 -1193.86,-370 -1186.36,-362.5 -1186.36,-353.5 -1178.86,-346 -1163.86,-346 -1156.36,-353.5 -1156.36,-379.5 -1148.86,-387 -1133.86,-387 -1126.36,-379.5 -1126.36,-353.5 -1118.86,-346 -1103.86,-346 -1096.36,-353.5 -1096.36,-379.5 -1088.86,-387 -1073.86,-387 -1066.36,-379.5 -1066.36,-353.5 -1058.86,-346 -1043.86,-346 -1036.36,-353.5 -1036.36,-379.5 -1028.86,-387 -1013.86,-387 -1006.36,-379.5 -1006.36,-353.5 -998.86,-346 -983.86,-346 -976.36,-353.5 -976.36,-362.5 -968.86,-370 -937.95,-370 -464.86,-370 -446,-388.86 -446,-572.15 -442.91,-575.24 U1.7@-442.91,-641.73
  Bottom Layer w8: *7.28@-1637.8,-480.31 *7.28@-1637.64,-480.16
  Bottom Layer w10: *7.28@-1637.64,-480.16 -1637.48,-480.31 -1453.4,-480.31 -1343.08,-370 v2(-1311,-370)
B15_L2_N: *7.14 U1.56 | length 1729.4
  Top Layer w10: v1(-1327,-701) -1277,-701 -1272,-701 -1266.14,-695.14 -1266.14,-684.68 -1263.14,-681.68 -1249.14,-681.68 -1246.14,-684.68 -1246.14,-710 -1243.14,-713 -1229.14,-713 -1226.14,-710 -1226.14,-684.68 -1223.14,-681.68 -1209.14,-681.68 -1206.14,-684.68 -1206.14,-710 -1203.14,-713 -1189.14,-713 -1186.14,-710 -1186.14,-684.68 -1183.14,-681.68 -1169.14,-681.68 -1166.14,-684.68 -1166.14,-710 -1163.14,-713 -1149.14,-713 -1146.14,-710 -1146.14,-684.68 -1143.14,-681.68 -1129.14,-681.68 -1126.14,-684.68 -1126.14,-710 -1123.14,-713 -1109.14,-713 -1106.14,-710 -1106.14,-684.68 -1103.14,-681.68 -1089.14,-681.68 -1086.14,-684.68 -1086.14,-710 -1083.14,-713 -1069.14,-713 -1066.14,-710 -1066.14,-706.86 -1060.28,-701 -1048.74,-701 -883,-701 -829,-755 -419.79,-755 -324.8,-849.99 U1.56@-324.8,-933.07
  Bottom Layer w10: *7.14@-1637.8,-700.79 -1637.4,-700.39 -1327.61,-700.39 v1(-1327,-701)
B15_L2_P: *7.12 U1.55 | length 1729.9
  Top Layer w10: v2(-1280,-730) -1245,-730 -1220,-730 -1214.14,-735.86 -1214.14,-759 -1213.14,-760 -1195.14,-760 -1194.14,-759 -1194.14,-731 -1193.14,-730 -1175.14,-730 -1174.14,-731 -1174.14,-759 -1173.14,-760 -1155.14,-760 -1154.14,-759 -1154.14,-731 -1153.14,-730 -1135.14,-730 -1134.14,-731 -1134.14,-759 -1133.14,-760 -1115.14,-760 -1114.14,-759 -1114.14,-731 -1113.14,-730 -1095.14,-730 -1094.14,-731 -1094.14,-759 -1093.14,-760 -1075.14,-760 -1074.14,-759 -1074.14,-731 -1073.14,-730 -1055.14,-730 -1054.14,-731 -1054.14,-759 -1053.14,-760 -1035.14,-760 -1034.14,-759 -1034.14,-719 -1033.14,-718 -1015.14,-718 -1014.14,-719 -1014.14,-724.14 -1008.28,-730 -995.29,-730 -886,-730 -844,-772 -426.83,-772 -344.49,-854.34 U1.55@-344.49,-933.07
  Bottom Layer w10: *7.12@-1637.8,-732.28 -1636.65,-731.14 -1281.14,-731.14 v2(-1280,-730)
B15_L3_N: *7.36 U1.3 | length 1731.4
  Top Layer w10: v2(-1264,-251) -607.88,-251 -602.88,-251 -596.63,-244.75 -596.63,-230.7 -590.38,-224.45 -577.88,-224.45 -571.63,-230.7 -571.63,-247.53 -565.38,-253.78 -552.88,-253.78 -546.63,-247.53 -546.63,-230.7 -540.38,-224.45 -527.88,-224.45 -521.63,-230.7 -521.63,-244.75 -515.38,-251 -497,-251 -464,-251 -364.17,-350.83 U1.3@-364.17,-641.73
  Bottom Layer w10: *7.36@-1637.8,-354.33 -1637.46,-354.66 -1464.66,-354.66 -1361,-251 v2(-1264,-251)
B15_L3_P: *7.38 U1.2 | length 1722.9
  Top Layer w10: v2(-1302,-205) -440,-205 -344.49,-300.51 U1.2@-344.49,-641.73
  Bottom Layer w10: *7.38@-1637.8,-322.83 -1501.04,-322.83 -1383.2,-205 v2(-1302,-205)
B15_L4_N: *7.8 U1.54 | length 1729.7
  Top Layer w10: v1(-1310,-795) -1307.29,-795 -1301.29,-789 -1278,-789 -1273,-789 -1267.14,-783.14 -1267.14,-760 -1266.14,-759 -1248.14,-759 -1247.14,-760 -1247.14,-807 -1246.14,-808 -1228.14,-808 -1227.14,-807 -1227.14,-778 -1226.14,-777 -1208.14,-777 -1207.14,-778 -1207.14,-807 -1206.14,-808 -1188.14,-808 -1187.14,-807 -1187.14,-778 -1186.14,-777 -1168.14,-777 -1167.14,-778 -1167.14,-807 -1166.14,-808 -1148.14,-808 -1147.14,-807 -1147.14,-778 -1146.14,-777 -1128.14,-777 -1127.14,-778 -1127.14,-807 -1126.14,-808 -1108.14,-808 -1107.14,-807 -1107.14,-778 -1106.14,-777 -1088.14,-777 -1087.14,-778 -1087.14,-807 -1086.14,-808 -1068.14,-808 -1067.14,-807 -1067.14,-778 -1066.14,-777 -1048.14,-777 -1047.14,-778 -1047.14,-783.14 -1041.28,-789 -1026,-789 -433.88,-789 -364.17,-858.7 U1.54@-364.17,-933.07
  Bottom Layer w10: *7.8@-1637.8,-795.28 -1637.66,-795.14 -1310.14,-795.14 v1(-1310,-795)
B15_L4_P: *7.6 U1.52 | length 1734
  Top Layer w10: v1(-1265,-825) -1222,-825 -1192,-825 -1186.14,-830.86 -1186.14,-841.75 -1184.89,-843 -1162.39,-843 -1161.14,-841.75 -1161.14,-826.25 -1159.89,-825 -1137.39,-825 -1136.14,-826.25 -1136.14,-841.75 -1134.89,-843 -1112.39,-843 -1111.14,-841.75 -1111.14,-826.25 -1109.89,-825 -1087.39,-825 -1086.14,-826.25 -1086.14,-841.75 -1084.89,-843 -1062.39,-843 -1061.14,-841.75 -1061.14,-824.74 -1059.89,-823.49 -1037.39,-823.49 -1036.14,-824.74 -1036.14,-841.75 -1034.89,-843 -1012.39,-843 -1011.14,-841.75 -1011.14,-817.75 -1009.89,-816.5 -987.39,-816.5 -986.14,-817.75 -986.14,-819.14 -980.28,-825 -963.11,-825 -938.96,-825 -919.96,-806 -440.92,-806 -403.54,-843.38 U1.52@-403.54,-933.07
  Bottom Layer w10: *7.6@-1637.8,-826.77 -1636.91,-825.89 -1561,-825.89 -1556,-825.89 -1550.14,-820.03 -1550.14,-813.39 -1548.89,-812.14 -1526.39,-812.14 -1525.14,-813.39 -1525.14,-840.02 -1523.89,-841.27 -1501.39,-841.27 -1500.14,-840.02 -1500.14,-813.39 -1498.89,-812.14 -1476.39,-812.14 -1475.14,-813.39 -1475.14,-840.02 -1473.89,-841.27 -1451.39,-841.27 -1450.14,-840.02 -1450.14,-813.39 -1448.89,-812.14 -1426.39,-812.14 -1425.14,-813.39 -1425.14,-840.02 -1423.89,-841.27 -1401.39,-841.27 -1400.14,-840.02 -1400.14,-813.39 -1398.89,-812.14 -1376.39,-812.14 -1375.14,-813.39 -1375.14,-840.02 -1373.89,-841.27 -1351.39,-841.27 -1350.14,-840.02 -1350.14,-813.39 -1348.89,-812.14 -1326.39,-812.14 -1325.14,-813.39 -1325.14,-820.03 -1319.28,-825.89 -1311,-825.89 -1265.89,-825.89 v1(-1265,-825)
B15_L5_N: *7.34 U1.4 | length 1732.2
  Top Layer w10: v2(-1313,-289) -755.68,-289 -750.68,-289 -744.68,-283 -744.68,-274 -738.68,-268 -720.68,-268 -714.68,-274 -714.68,-303.26 -708.68,-309.26 -690.68,-309.26 -684.68,-303.26 -684.68,-274 -678.68,-268 -660.68,-268 -654.68,-274 -654.68,-303.26 -648.68,-309.26 -630.68,-309.26 -624.68,-303.26 -624.68,-295 -618.68,-289 -609,-289 -461,-289 -383,-367 -383,-580.67 -383.86,-581.53 U1.4@-383.86,-641.73
  Bottom Layer w10: *7.34@-1637.8,-385.83 -1637.38,-385.41 -1440.41,-385.41 -1344,-289 v2(-1313,-289)
B15_L5_P: *7.32 U1.6 | length 1729.1
  Top Layer w10: v2(-1266,-329) -941.97,-329 -936.97,-329 -930.97,-323 -930.97,-312 -924.97,-306 -906.97,-306 -900.97,-312 -900.97,-345.88 -894.97,-351.88 -876.97,-351.88 -870.97,-345.88 -870.97,-312 -864.97,-306 -846.97,-306 -840.97,-312 -840.97,-345.88 -834.97,-351.88 -816.97,-351.88 -810.97,-345.88 -810.97,-312 -804.97,-306 -786.97,-306 -780.97,-312 -780.97,-323 -774.97,-329 -765,-329 -461,-329 -429,-361 -429,-565.11 -423.23,-570.88 U1.6@-423.23,-641.73
  Bottom Layer w10: *7.32@-1637.8,-417.32 -1414.45,-417.32 -1326.12,-329 v2(-1266,-329)
B15_L6_N: *10.5
B15_L6_P: *10.7
B15_L7_N: *7.31
B15_L7_P: *7.33 U1.28 | length 1730.3
  Top Layer w10: v1(-1755,-385) -1732.5,-407.5 -1728.96,-411.04 -1720.68,-411.04 -1706.79,-397.15 -1700.43,-397.15 -1685.58,-412 -1685.58,-418.36 -1714.82,-447.6 -1714.82,-453.96 -1699.97,-468.81 -1693.6,-468.81 -1680.84,-456.05 -1674.48,-456.05 -1659.63,-470.9 -1659.63,-477.26 -1684.58,-502.21 -1684.58,-508.58 -1669.73,-523.43 -1663.36,-523.43 -1640.5,-500.56 -1634.14,-500.56 -1619.29,-515.41 -1619.29,-521.78 -1642.15,-544.64 -1642.15,-551 -1627.3,-565.85 -1620.94,-565.85 -1601.68,-546.6 -1593.4,-546.6 -1530,-610 -1498.27,-641.73 -1477,-641.73 -1472,-641.73 -1466,-635.73 -1466,-619 -1460,-613 -1442,-613 -1436,-619 -1436,-665.73 -1430,-671.73 -1412,-671.73 -1406,-665.73 -1406,-647.73 -1400,-641.73 -1382,-641.73 -1376,-647.73 -1376,-665.73 -1370,-671.73 -1352,-671.73 -1346,-665.73 -1346,-647.73 -1340,-641.73 -1322,-641.73 -1316,-647.73 -1316,-665.73 -1310,-671.73 -1292,-671.73 -1286,-665.73 -1286,-647.73 -1280,-641.73 -1262,-641.73 -1256,-647.73 -1256,-658.68 -1250,-664.68 -1232,-664.68 -1226,-658.68 -1226,-647.73 -1220,-641.73 -1202,-641.73 -1196,-647.73 -1196,-658.68 -1190,-664.68 -1172,-664.68 -1166,-658.68 -1166,-647.73 -1160,-641.73 -1142,-641.73 -1136,-647.73 -1136,-658.68 -1130,-664.68 -1112,-664.68 -1106,-658.68 -1106,-647.73 -1100,-641.73 -1082,-641.73 -1076,-647.73 -1076,-664.78 -1070,-670.78 -1052,-670.78 -1046,-664.78 -1046,-647.73 -1040,-641.73 -1022,-641.73 -1016,-647.73 -1016,-665.73 -1010,-671.73 -992,-671.73 -986,-665.73 -986,-647.73 -980,-641.73 -962,-641.73 -956,-647.73 -956,-665.73 -950,-671.73 -932,-671.73 -926,-665.73 -926,-647.73 -920,-641.73 -877.12,-641.73 U1.28@-856.3,-641.73
  Bottom Layer w10: *7.33@-1826.77,-385.83 -1826.36,-385.41 -1755.41,-385.41 v1(-1755,-385)
B15_L8_N: *7.25
B15_L8_P: *7.27
B15_L9_N: *7.37 U1.25 | length 1729
  Top Layer w10: v1(-1755,-325) -1680,-325 -1676.46,-328.54 -1667.98,-328.54 -1652.62,-313.18 -1644.13,-313.18 -1631.41,-325.9 -1631.41,-334.39 -1667.24,-370.23 -1667.24,-378.71 -1654.52,-391.44 -1646.03,-391.44 -1610.19,-355.6 -1601.71,-355.6 -1588.98,-368.33 -1588.98,-376.81 -1624.82,-412.65 -1624.82,-421.14 -1612.09,-433.87 -1603.61,-433.87 -1567.77,-398.03 -1559.28,-398.03 -1546.55,-410.76 -1546.55,-419.24 -1582.39,-455.08 -1582.39,-463.57 -1569.66,-476.29 -1561.18,-476.29 -1547.24,-462.36 -1538.76,-462.36 -1526.03,-475.08 -1526.03,-483.57 -1539.97,-497.51 -1539.97,-505.99 -1527.24,-518.72 -1518.75,-518.72 -1482.91,-482.88 -1474.43,-482.88 -1461.7,-495.61 -1461.7,-504.09 -1497.54,-539.93 -1497.54,-548.42 -1484.81,-561.15 -1476.33,-561.15 -1440.49,-525.31 -1432,-525.31 -1419.27,-538.04 -1419.27,-546.52 -1434.63,-561.88 -1434.63,-570.37 -1428,-577 -1424.58,-577 -828.94,-577 -797.44,-608.51 -797.44,-641.54 U1.25@-797.24,-641.73
  Bottom Layer w10: *7.37@-1826.77,-322.83 -1825.69,-323.92 -1756.08,-323.92 v1(-1755,-325)
B15_L9_P: *7.35 U1.27 | length 1728.8
  Top Layer w10: v1(-1715,-355) -1652.5,-417.5 -1627.75,-442.25 -1627.75,-450.73 -1639.7,-462.68 -1639.7,-471.17 -1626.97,-483.9 -1618.49,-483.9 -1606.54,-471.95 -1598.05,-471.95 -1585.32,-484.68 -1585.32,-493.16 -1597.27,-505.11 -1597.27,-513.59 -1584.54,-526.32 -1576.06,-526.32 -1564.11,-514.37 -1555.63,-514.37 -1542.9,-527.1 -1542.9,-535.59 -1554.85,-547.53 -1554.85,-556.02 -1542.12,-568.75 -1533.63,-568.75 -1521.68,-556.8 -1513.2,-556.8 -1500.47,-569.53 -1500.47,-578.01 -1512.42,-589.96 -1512.42,-598.45 -1499.69,-611.17 -1491.21,-611.17 -1476.03,-596 -1449.74,-596 -1447,-596 -1412,-596 -1406,-602 -1406,-618.73 -1400,-624.73 -1382,-624.73 -1376,-618.73 -1376,-600 -1370,-594 -1352,-594 -1346,-600 -1346,-618.73 -1340,-624.73 -1322,-624.73 -1316,-618.73 -1316,-600 -1310,-594 -1292,-594 -1286,-600 -1286,-618.73 -1280,-624.73 -1262,-624.73 -1256,-618.73 -1256,-600 -1250,-594 -1232,-594 -1226,-600 -1226,-618.73 -1220,-624.73 -1202,-624.73 -1196,-618.73 -1196,-600 -1190,-594 -1172,-594 -1166,-600 -1166,-618.73 -1160,-624.73 -1142,-624.73 -1136,-618.73 -1136,-600 -1130,-594 -1112,-594 -1106,-600 -1106,-618.73 -1100,-624.73 -1082,-624.73 -1076,-618.73 -1076,-600 -1070,-594 -1052,-594 -1046,-600 -1046,-618.73 -1040,-624.73 -1022,-624.73 -1016,-618.73 -1016,-600 -1010,-594 -992,-594 -986,-600 -986,-618.73 -980,-624.73 -962,-624.73 -956,-618.73 -956,-600 -950,-594 -932,-594 -926,-600 -926,-618.73 -920,-624.73 -902,-624.73 -896,-618.73 -896,-602 -890,-596 -870,-596 -849.31,-596 -836.81,-608.51 -836.81,-641.54 U1.27@-836.61,-641.73
  Bottom Layer w10: *7.35@-1826.77,-354.33 -1826.44,-354.66 -1715.34,-354.66 v1(-1715,-355)
B15_L10_N: *10.17
B15_L10_P: *10.15